# Altium PCB RK_NVR_DEMO1_RK3588_LP4XD200P232SD8_V21_20211228_final_lint.PcbDoc (part 13 of 29)
Units mm, origin at the board's own origin, x right, y up, seen from the top; angles counter-clockwise.
Board outline 170.08 x 169.98 mm, 8 copper layers (TOP, L2-GND1, L3-POWER1, L4-S1, L5-GND2, L6-S2, L7-GND3, BOTTOM), stack 2.118 mm thick; 1650 components, 1119 nets, 6165 pads, 15417 vias.
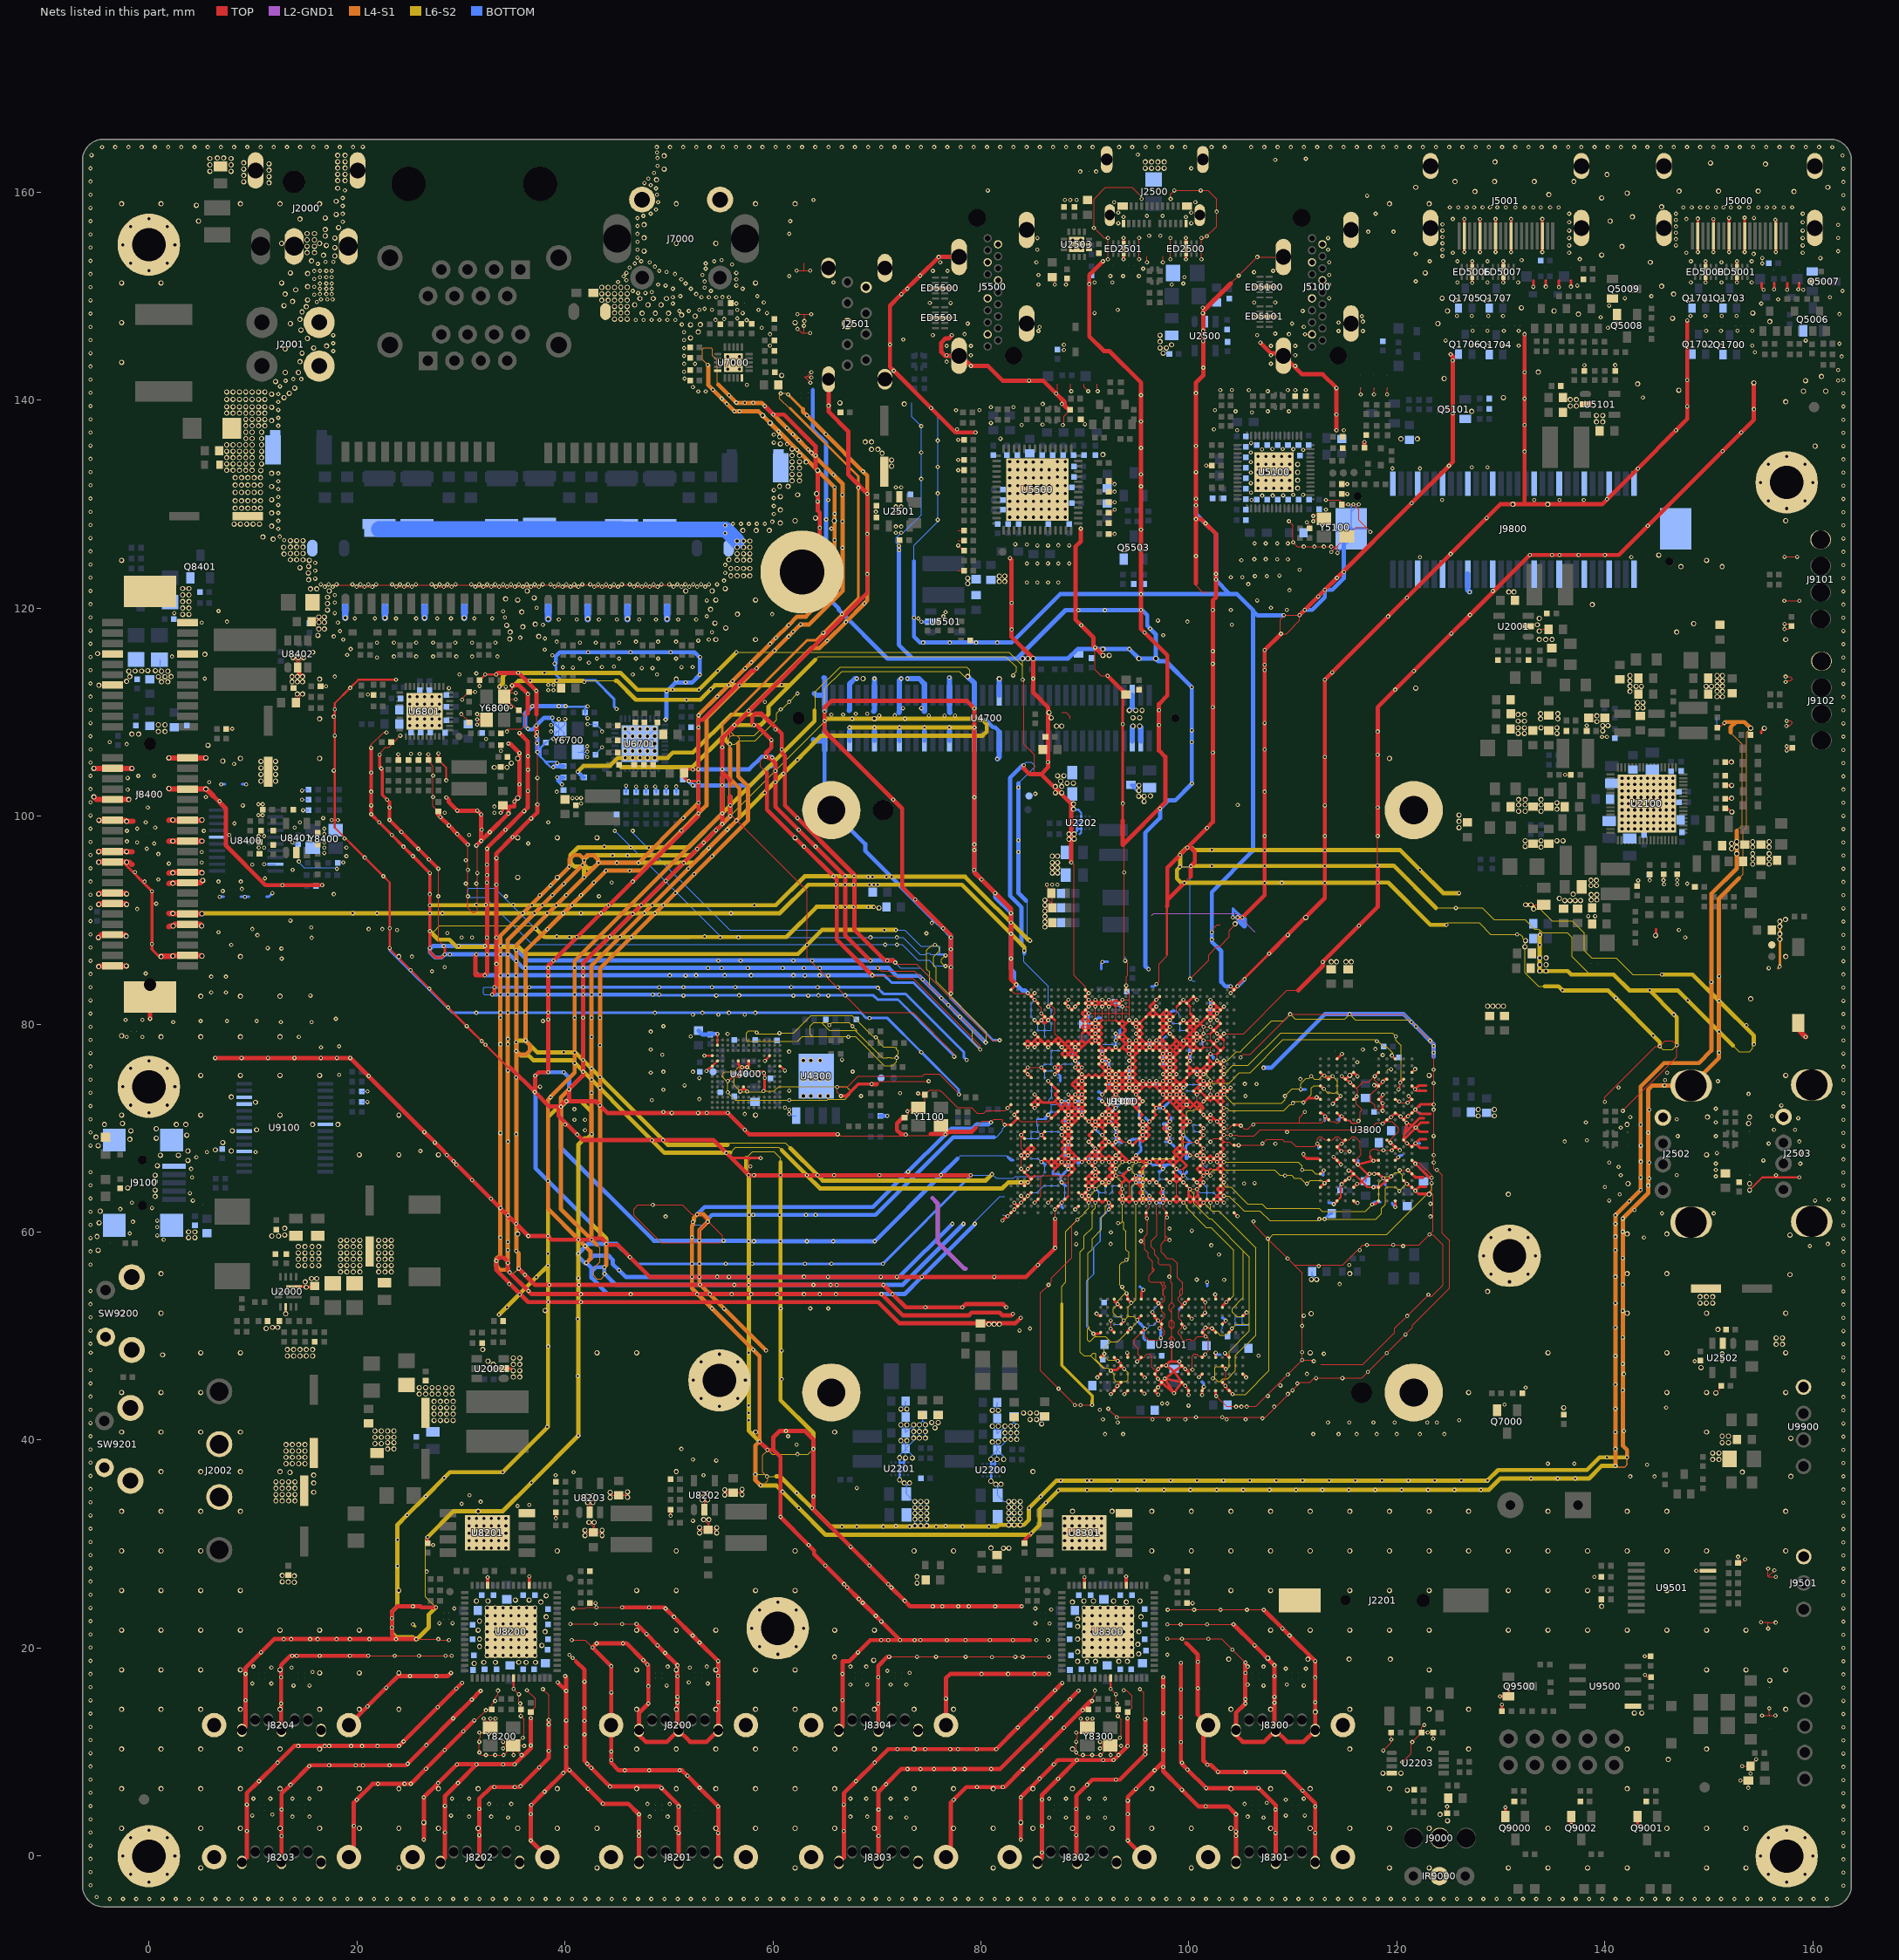
[diagram p19: the nets of this part, all layers, seen from the top]

## Via types
v1: diameter 0.4, hole 0.2, TOP to BOTTOM, 1688 vias
v2: diameter 0.4/0.4 (per signal layer), hole 0.2, TOP to L2-GND1, 1605 vias
v3: diameter 0/0/0/0/0/0/0/0.4 (per signal layer), hole 0.2, TOP to BOTTOM, 1253 vias
v4: diameter 0.4/0/0/0/0/0/0/0 (per signal layer), hole 0.2, TOP to BOTTOM, 1253 vias
v5: diameter 0.5, hole 0.3, TOP to BOTTOM, 857 vias
v6: diameter 0.4/0.4/0.4/0.4/0.4 (per signal layer), hole 0.2, L4-S1 to BOTTOM, 836 vias
v7: diameter 0/0/0/0/0/0/0/0.5 (per signal layer), hole 0.3, TOP to BOTTOM, 772 vias
v8: diameter 0.5/0/0/0/0/0/0/0 (per signal layer), hole 0.3, TOP to BOTTOM, 772 vias
v9: diameter 0.5/0.5 (per signal layer), hole 0.3, TOP to L2-GND1, 766 vias
v10: diameter 0.4/0.4 (per signal layer), hole 0.2, L7-GND3 to BOTTOM, 611 vias
v11: diameter 0.4/0.4/0.4/0.4 (per signal layer), hole 0.2, L5-GND2 to BOTTOM, 579 vias
v12: diameter 0.4 (per signal layer), hole 0.2, L6-S2 to L6-S2, 535 vias
v13: diameter 0.5/0.5/0.5/0.5/0.5 (per signal layer), hole 0.3, L4-S1 to BOTTOM, 457 vias
v14: diameter 0.5/0.5/0.5/0.5 (per signal layer), hole 0.3, L5-GND2 to BOTTOM, 455 vias
v15: diameter 0.4 (per signal layer), hole 0.2, L5-GND2 to L5-GND2, 418 vias
v16: diameter 0.5/0.5/0.5 (per signal layer), hole 0.3, TOP to L3-POWER1, 306 vias
v17: diameter 0.4 (per signal layer), hole 0.2, L4-S1 to L4-S1, 300 vias
v18: diameter 0.4/0.4/0.4 (per signal layer), hole 0.2, TOP to L3-POWER1, 287 vias
v19: diameter 0.5 (per signal layer), hole 0.3, L3-POWER1 to L3-POWER1, 242 vias
v20: diameter 0.5 (per signal layer), hole 0.3, L4-S1 to L4-S1, 240 vias
v21: diameter 0.5/0.5 (per signal layer), hole 0.3, L7-GND3 to BOTTOM, 192 vias
v22: diameter 0.5 (per signal layer), hole 0.3, L6-S2 to L6-S2, 166 vias
v23: diameter 0.4/0.4/0.4/0.4/0.4 (per signal layer), hole 0.2, TOP to L5-GND2, 134 vias
v24: diameter 0.5 (per signal layer), hole 0.3, L5-GND2 to L5-GND2, 114 vias
v25: diameter 0.5/0.5 (per signal layer), hole 0.3, L3-POWER1 to L4-S1, 111 vias
v26: diameter 0.4 (per signal layer), hole 0.2, L3-POWER1 to L3-POWER1, 93 vias
v27: diameter 0.4/0.4 (per signal layer), hole 0.2, L4-S1 to L5-GND2, 59 vias
v28: diameter 0.4/0.4/0/0/0.4/0/0.4/0.4 (per signal layer), hole 0.2, TOP to BOTTOM, 56 vias
v29: diameter 0.4/0/0/0.4/0/0/0/0.4 (per signal layer), hole 0.2, TOP to BOTTOM, 51 vias
v30: diameter 0.5/0.5 (per signal layer), hole 0.3, L4-S1 to L5-GND2, 46 vias
v31: diameter 0.4/0/0/0/0/0.4/0/0.4 (per signal layer), hole 0.2, TOP to BOTTOM, 42 vias
v32: diameter 0.5/0.5/0.5/0.5/0.5 (per signal layer), hole 0.3, TOP to L5-GND2, 32 vias
v33: diameter 0.4/0.4 (per signal layer), hole 0.2, L3-POWER1 to L4-S1, 29 vias
v34: diameter 0.4/0/0.4/0/0/0/0/0.4 (per signal layer), hole 0.2, TOP to BOTTOM, 29 vias
v35: diameter 0.4/0.4/0/0/0.4/0.4/0.4/0.4 (per signal layer), hole 0.2, TOP to BOTTOM, 21 vias
v36: diameter 0.5/0.5/0.5/0/0.5/0.5/0.5/0.5 (per signal layer), hole 0.3, TOP to BOTTOM, 4 vias
v37: diameter 0.5/0.5/0/0.5/0.5/0.5/0.5/0.5 (per signal layer), hole 0.3, TOP to BOTTOM, 3 vias
v38: diameter 0.4/0/0.4/0.4/0/0/0/0.4 (per signal layer), hole 0.2, TOP to BOTTOM, 2 vias
v39: diameter 0.4/0.4/0.4/0/0.4/0/0.4/0.4 (per signal layer), hole 0.2, TOP to BOTTOM, 1 vias

## Nets (pads, with @x,y where several pads share a name; then routed paths per layer and width w, separated by ;. In a path a pad name is that pad's centre, name@x,y a point inside that pad or via, vN(x,y) a via of type N, cw(c..) or ccw(c..) an arc to the next point about the centre after c; other vN are vias at no path point) (continued)
GND: (continued)
  L6-S2 w0.406: v16(2.303,90.64) 2.328,90.615 v16(5.097,90.615) 5.144,90.662 v2(21.937,90.662) v2(27.017,90.662) v2(28.236,90.662) v2(43.476,90.662) 46.473,90.662 v2(46.524,90.611) 46.575,90.662 v2(47.642,90.662) v2(48.658,90.662) v1(55.973,90.662) 60.653,90.662 63.4,93.409 v2(67.759,93.409) v2(69.283,93.409) v2(69.689,93.409) v2(70.095,93.409) 78.173,93.409 84.167,87.414 v2(84.167,87.059) ; v1(26.79,30.671) 29.279,33.16 34.027,33.16 v2(36.771,35.903) v2(41.292,40.424) v1(41.292,55.563) v1(41.292,57.95) v1(41.292,59.271) 41.292,68.408 41.909,69.025 42.181,69.025 v1(42.562,69.406) ; v2(27.017,88.938) 27.83,88.126 28.895,88.126 29.58,87.44 35.526,87.44 36.221,86.744 62.42,86.744 64.729,89.053 v2(70.72,89.053) v2(71.823,89.053) ; v2(27.017,91.434) v2(36.821,91.434) v2(37.837,91.434) v2(39.184,91.434) v2(40.708,91.434) v2(44.187,91.434) v2(47.337,91.434) v2(48.404,91.434) v2(49.471,91.434) v1(58.208,91.434) 60.275,91.434 63.063,94.222 v2(66.946,94.222) v2(67.809,94.222) 67.924,94.222 67.974,94.171 v2(69.181,94.171) v2(69.587,94.171) v2(70.908,94.171) v1(71.416,94.171) 78.477,94.171 84.497,88.151 84.599,88.151 v2(84.726,88.024) ; v1(27.601,23.914) 26.915,23.229 26.915,22.009 25.772,20.866 v1(25.696,20.866) 25.569,20.866 25.366,21.07 23.766,21.07 23.359,21.476 v1(23.359,21.984) v1(23.359,22.861) 23.359,23.508 23.893,24.041 v18(23.893,27.884) v18(23.893,30.424) 23.893,31.865 v18(24.818,32.79) v2(26.614,34.586) v2(28.41,36.382) 28.947,36.919 v2(34.028,36.919) 38.371,41.262 v1(38.371,56.773) ; v2(33.66,52.062) v1(37.252,55.654) v1(38.371,56.773) ; v1(33.697,112.433) 34.027,112.764 34.027,113.424 34.383,113.78 v1(35.506,113.78) v1(38.046,113.78) 45.351,113.78 46.976,112.154 v2(50.354,112.154) 52.879,112.154 v2(52.894,112.169) v2(54.69,113.965) v2(56.486,115.761) ; v1(34.916,112.56) 35.094,112.56 35.551,113.018 v1(36.669,113.018) v1(39.209,113.018) 41.749,113.018 v1(41.851,112.916) ; v2(37.214,89.178) 38.022,88.37 v2(40.441,88.37) v2(41.139,88.37) 61.297,88.37 64.203,91.275 v2(69.689,91.275) ; v2(41.241,104.267) 41.812,104.839 44.34,104.839 45.102,105.601 v9(45.788,105.601) v9(46.499,105.601) v9(47.21,105.601) v9(47.921,105.601) v9(48.632,105.601) 49.877,105.601 50.385,106.109 52.315,106.109 55.973,109.766 58.919,109.766 59.224,109.461 ; v2(41.851,94.12) v6@41.851,95.339 ; v1(43.984,58.865) 43.984,59.373 42.562,60.795 v1(42.562,69.406) ; 44.899,113.018 45,113.018 46.829,111.189 v2(51.687,111.189) 53.027,111.189 v2(54.024,112.186) 54.424,112.586 61.612,112.586 ; 45.395,104.712 52.265,104.712 55.427,107.874 ; 55.643,68.39 49.894,68.39 v2(49.441,68.843) 40.99,77.294 v2(39.881,77.294) 37.341,77.294 v2(36.212,78.423) 35.475,78.423 v2(35.323,78.27) v2(35.323,77.407) 35.767,76.962 36.529,76.962 36.96,76.532 40.674,76.532 v1(48.368,68.837) 49.578,67.628 v2(55.516,67.628) 55.897,67.628 ; v2(55.871,106.922) 55.833,106.922 55.427,107.328 55.427,107.874 ; v2(55.897,100.013) v2(55.135,99.251) v2(54.518,98.634) v2(53.339,97.455) v2(52.722,96.838) 52.112,96.228 v2(46.034,96.228) v2(44.594,96.228) 42.257,96.228 41.851,95.822 v2(41.851,95.746) v6@41.851,95.339 ; 57.421,67.12 57.421,65.723 v1(57.675,65.469) v1(57.675,59.119) v1(57.675,55.69) v1(57.675,54.928) v1(57.675,48.4) v1(57.675,43.32) v1(57.675,42.609) v1(57.675,41.918) 57.675,40.907 v2(58.716,39.866) ; v2(58.31,36.716) 58.31,36.157 v2(58.818,35.649) 60.316,35.649 v2(60.925,35.041) v2(62.488,33.478) 65.066,30.899 84.7,30.899 v2(84.853,31.052) 85.64,31.839 85.64,33.363 v2(87.436,35.159) 87.494,35.217 v2(92.515,35.217) v2(95.055,35.217) v2(97.595,35.217) v2(100.135,35.217) v2(102.675,35.217) v2(105.215,35.217) v2(107.755,35.217) v2(110.295,35.217) v2(112.835,35.217) v2(115.375,35.217) v2(117.915,35.217) v2(120.455,35.217) v2(122.995,35.217) v2(125.535,35.217) v2(128.075,35.217) 128.846,35.217 129.938,36.31 v2(132.909,36.31) v2(135.449,36.31) v2(137.151,36.31) 138.472,36.31 139.691,37.529 v2(141.012,37.529) ; 60.342,36.513 60.71,36.513 v2(62.304,34.919) v2(63.74,33.483) 65.536,31.687 v2(66.641,31.687) v2(68.076,31.687) v2(70.616,31.687) v2(73.156,31.687) v2(75.696,31.687) v2(78.236,31.687) v2(80.776,31.687) 81.576,31.687 81.729,31.839 v9(82.668,31.839) v9(83.202,31.839) v9(83.786,31.839) 84.116,31.839 84.624,32.347 v2(84.624,33.465) v2(85.742,34.582) 87.266,36.106 v2(87.672,36.106) v2(90.212,36.106) v2(90.619,36.106) v2(93.159,36.106) v2(95.699,36.106) v2(98.239,36.106) v2(100.779,36.106) v2(103.319,36.106) v2(105.859,36.106) v2(108.399,36.106) v2(110.939,36.106) v2(113.479,36.106) v2(116.019,36.106) v2(118.559,36.106) v2(121.099,36.106) v2(123.639,36.106) v2(126.179,36.106) v2(128.719,36.106) 129.735,37.122 138.269,37.122 139.488,38.342 v2(140.199,38.342) v2(142.13,38.342) ; 60.723,66.739 v1(60.723,65.469) v1(60.723,59.119) 60.723,43.853 63.898,40.678 v2(63.898,39.154) ; 60.85,67.882 v1(63.263,65.469) 64.533,64.199 82.038,64.199 82.62,64.781 v2(83.866,64.781) v2(84.516,64.781) ; 61.675,68.072 v1(64.279,65.469) 64.787,64.961 80.459,64.961 v2(81.068,65.57) ; v2(62.374,105.398) 62.699,105.723 62.699,105.784 ; 63.999,110.173 63.999,109.131 v2(55.897,101.029) v2(55.135,100.267) 51.858,96.99 v2(46.321,96.99) 41.266,96.99 40.53,96.254 40.53,95.542 40.936,95.136 41.647,95.136 v6@41.851,95.339 ; 64.076,115.05 61.612,112.586 ; v2(64.97,109.157) 65.173,109.36 v2(67.619,109.36) v2(72.699,109.36) 79.849,109.36 v2(79.951,109.258) 80.154,109.258 80.56,108.852 80.56,108.141 80.154,107.734 64.65,107.734 62.699,105.784 ; v2(67.369,108.522) v2(69.769,108.522) v2(72.17,108.522) v2(74.57,108.522) v2(76.97,108.522) v2(79.37,108.522) ; v2(100.194,95.187) 100.22,95.187 100.245,95.212 v2(102.201,95.212) v2(107.281,95.212) v2(113.072,95.212) 118.127,95.212 v2(118.152,95.238) 119.676,95.238 123.74,91.174 ; v2(124.756,89.548) 123.232,89.548 119.168,93.612 v2(118.152,93.612) 118.127,93.587 v2(113.072,93.587) v2(108.937,93.587) v2(107.281,93.587) v2(99.559,93.587) 99.255,93.587 98.848,93.993 98.848,94.831 v2(99.153,95.136) v2(99.153,96.254) 99.153,96.322 99.796,96.965 99.839,96.965 v2(99.851,96.977) 100.258,96.977 100.507,96.728 v2(107.281,96.728) v2(113.072,96.728) 120.319,96.728 v2(122.216,94.831) 124.451,92.596 v2(125.975,92.596) ; v9(132.376,91.478) v9(132.884,91.478) 133.138,91.224 v9(133.138,91.072) ; v2(133.759,88.597) 133.734,88.572 v2(133.734,87.618) v9(133.734,86.373) v9(133.734,85.713) v16(133.734,85.103) v16(134.343,85.103) 136.415,85.103 136.745,84.773 138.574,84.773 140.838,84.773 142.362,83.249 v2(144.305,83.249) ; 134.205,83.63 135.551,83.63 v2(135.932,83.249) 140.301,83.249 v2(141.063,82.487) v2(144.655,78.895) 145.279,78.27 v2(145.279,77.864) ; v2(145.483,84.773) 148.429,84.773 v2(150.969,82.233) 154.322,78.88 v1(154.322,78.067) ; v2(146.905,77.966) 146.905,80.648 v2(146.631,80.922) v2(144.305,83.249) ; 152.29,77.966 v1(150.969,79.286) v2(147.965,82.29) 147.007,83.249 v2(144.305,83.249) ; v1(38.371,56.773) v1(38.371,57.934) v1(38.371,59.627) 38.371,71.057 39.387,72.073 v1(39.615,72.073) 40.123,72.581 v1(40.149,72.581) 41.546,72.581 42.562,71.565 v1(42.562,69.406) ; v6@41.851,95.339 42.206,94.984 42.714,94.984 v2(43.247,95.517) v2(45,95.517) v2(47.082,95.517) 52.432,95.517 v2(53.829,96.914) v2(55.625,98.71) v2(56.501,99.586) 60.997,104.082 v2(61.022,104.082) 61.022,104.107 62.699,105.784 ; 55.427,107.874 55.795,108.242 v2(56.303,108.751) v2(58.183,108.75) 58.818,108.75 59.224,109.157 59.224,109.461 ; 59.224,109.461 59.58,109.817 59.58,110.554 61.612,112.586
  BOTTOM w0.089: 82.09,63.437 82.287,63.437 ; 82.09,65.164 83.135,65.164 83.326,65.354 85.831,65.354 86.047,65.57 ; 82.09,67.374 82.44,67.374 82.618,67.196 ; 82.09,69.945 82.287,70.142 v2(82.287,70.32) ; 82.141,61.618 82.479,61.618 v2(82.566,61.531) ; 84.116,69.126 84.218,69.025 84.363,69.025 84.381,69.006 84.827,69.006 ; v35(84.516,63.481) 84.573,63.538 84.69,63.538 84.957,63.806 85.399,63.806 86.047,64.453 86.329,64.453 86.331,64.455 86.6,64.455 87.25,64.456 87.253,64.453 87.367,64.453 87.469,64.554 ; 84.726,67.196 84.866,67.055 85.49,67.055 v2(85.816,66.73) ; 84.827,69.634 84.827,69.478 84.84,69.465 84.84,69.197 84.827,69.184 84.827,69.006 ; 84.929,69.634 85.01,69.634 85.031,69.656 85.3,69.656 85.321,69.634 85.468,69.634 85.49,69.656 ; v2(85.166,80.381) 84.84,80.707 84.84,81.165 84.827,81.178 84.827,81.533 84.84,81.546 84.84,81.815 84.827,81.828 84.827,81.992 v2(85.166,82.331) ; 85.383,70.858 85.383,70.222 85.49,70.115 85.49,69.656 ; 85.437,79.388 85.49,79.441 ; 85.437,80.201 85.49,80.148 85.49,79.441 ; 85.539,79.388 85.556,79.405 ; v2(85.816,80.381) 85.816,80.221 86.141,79.896 86.141,78.946 86.148,78.939 86.148,78.778 ; 86.027,84.081 86.466,83.642 v2(86.466,81.681) 86.758,81.389 86.758,81.198 86.791,81.165 86.791,80.896 86.758,80.864 86.758,80.836 86.466,80.544 v2(86.466,80.381) 86.791,80.056 86.791,79.388 86.773,79.405 86.74,79.405 ; 86.148,65.672 86.148,65.939 86.141,65.946 86.141,66.215 86.148,66.222 86.148,66.467 C1816.2@86.195,66.514 ; 86.148,74.714 86.14,74.722 86.14,75.315 86.119,75.336 86.119,75.527 ; C1110.2@86.759,71.564 86.834,71.641 ; 86.758,77.458 86.758,77.298 86.79,77.265 86.79,76.346 86.758,76.314 86.758,76.137 86.619,76.137 86.6,76.155 86.331,76.155 86.313,76.137 86.122,76.137 v2(85.816,75.831) 86.119,75.527 ; 86.758,79.388 86.74,79.405 ; C1901.2@86.809,74.18 86.809,73.039 86.555,72.784 86.555,72.479 86.791,72.242 ; 86.859,75.527 86.621,75.527 86.6,75.506 86.331,75.506 86.31,75.527 86.119,75.527 ; 86.859,77.458 86.98,77.458 86.981,77.456 87.25,77.456 87.251,77.458 87.539,77.458 87.588,77.409 ; 87.266,72.276 86.825,72.276 86.791,72.242 ; 87.367,71.565 86.759,71.565 86.791,71.597 86.791,72.242 ; 87.487,75.778 87.865,76.155 88.771,76.155 88.79,76.137 ; v2(87.766,62.831) 87.766,63.022 88.09,63.346 88.09,64.377 C1804.2@88.169,64.455 ; v2(87.766,69.331) 87.441,69.655 86.169,69.655 85.845,69.331 v2(85.816,69.331) ; v2(91.016,62.831) 91.341,63.156 91.341,63.805 v2(91.016,64.131) 91.144,64.131 91.468,63.806 91.903,63.806 91.991,63.894 91.991,64.265 92.041,64.315 92.041,64.554 ; 91.736,78.067 92.679,78.067 v2(92.966,77.781) ; 92.346,63.64 92.651,63.945 92.651,63.987 92.641,63.997 92.641,64.265 92.651,64.275 92.651,64.453 92.828,64.453 92.831,64.456 93.1,64.456 93.103,64.453 93.294,64.453 v2(93.616,64.131) v2(93.616,63.48) v2(93.616,62.831) ; 93.362,65.672 93.768,65.672 94.073,65.977 ; R1405.2@93.366,78.778 93.366,78.656 C1041.2@93.879,78.143 ; R1401.2@93.366,79.413 93.366,79.493 93.768,79.896 ; v2(93.87,86.094) 93.917,86.141 C1609.2@93.917,86.5 ; v2(94.915,62.831) 94.78,62.831 94.581,63.03 94.581,64.446 v2(94.915,64.781) v2(94.915,65.43) ; v2(95.565,64.132) 95.7,63.996 95.778,63.996 96.081,63.694 96.081,63.616 v2(96.216,63.48) ; 97.146,65.846 97.19,65.801 97.19,65.181 97.266,65.106 ; 97.383,78.109 97.802,77.69 97.802,77.559 ; v2(97.515,64.131) v2(96.865,64.781) 96.941,64.781 97.266,65.106 ; v2(98.165,64.781) 98.073,64.781 97.748,65.106 97.266,65.106 ; v2(98.165,80.381) 98.165,80.376 98.485,80.056 99.11,80.056 ; C1421.2@98.628,81.274 98.791,81.274 99.051,81.014 99.051,80.81 ; 99.153,80.099 99.11,80.056 ; v2(99.466,65.43) 99.598,65.43 99.864,65.164 99.924,65.164 99.981,65.107 100.328,65.107 100.372,65.062 ; v2(99.465,73.881) 99.64,73.881 99.966,74.206 99.981,74.206 100.25,74.206 101.185,74.206 ; 99.763,73.597 99.941,73.597 99.981,73.556 100.44,73.556 v2(100.765,73.231) ; 99.864,79.388 99.617,79.388 99.6,79.405 99.331,79.405 99.314,79.388 99.153,79.388 99.153,79.584 99.141,79.596 99.141,80.001 99.153,80.013 99.11,80.056 ; v2(100.115,84.36) 100.341,84.134 R1402.2@100.601,84.134 ; 100.372,70.346 100.372,70.183 100.44,70.115 100.44,69.847 100.631,69.656 100.655,69.656 100.96,69.656 101.285,69.331 v2(101.416,69.331) ; 100.474,70.346 100.592,70.346 100.631,70.306 100.955,70.306 101.145,70.116 101.281,70.116 v2(101.416,69.981) ; v2(100.766,64.131) 101.091,63.806 102.391,63.806 v2(103.366,62.831) ; v2(100.766,67.381) 100.9,67.246 100.9,67.168 101.202,66.866 101.281,66.866 v2(101.416,66.731) 101.416,66.457 101.693,66.18 ; 100.982,63.64 100.982,63.132 101.083,63.03 ; v2(101.416,64.781) 101.416,64.59 101.74,64.265 101.74,63.156 v2(102.066,62.831) ; 84.827,69.006 85.491,69.006 v2(85.816,69.331) ; 85.49,69.656 v2(85.816,69.331) ; 85.49,79.441 85.525,79.405 85.556,79.405 ; 85.556,79.405 86.74,79.405
  BOTTOM w0.102: C8431.2@1.01,115.057 1.112,114.955 1.112,113.828 v16(1.541,113.399) ; v2(11.066,95.375) U8400.9@12.164,95.375 ; v2(13.809,97.473) 13.98,97.302 C8419.2@14.342,97.302 ; v2(14.419,95.644) 14.419,95.542 14.927,95.034 17.975,95.034 v2(18.076,94.933) ; v2(14.723,101.588) R8413.2@15.371,101.588 ; v18(14.723,102.451) 14.825,102.553 R8411.2@15.371,102.553 ; v2(14.825,100.563) R8409.2@15.371,100.563 ; C9101.2@20.454,72.511 v2(21.023,72.511) ; C9100.2@20.454,73.527 v2(21.023,73.527) ; v2(33.011,82.842) 32.252,82.842 32.151,82.944 32.151,83.449 32.252,83.551 v2(33.215,83.551) ; v1(37.253,108.7) 37.329,108.623 v1(37.329,108.078) ; R6702.2@38.159,107.072 38.251,107.072 38.904,107.726 ; v1(38.676,108.141) Y6700.4@39.319,108.141 ; v1(38.676,108.75) Y6700.4@39.173,108.75 ; v1(38.904,107.404) 38.904,107.726 ; v2(39.26,105.093) 39.412,105.093 39.708,104.797 R6715.2@39.867,104.797 ; v1(39.412,107.404) Y6700.4@39.412,108.234 ; Y6700.4@39.412,108.511 v1(39.412,109.329) ; v1(39.92,107.404) 39.92,108.003 Y6700.4@39.551,108.372 ; v1(40.022,109.329) 40.022,108.844 Y6700.4@39.551,108.372 ; Y6700.2@41.25,106.172 Y6700.2@41.609,106.172 ; R6721.2@41.929,109.961 41.929,109.662 v1(42.181,109.411) ; v2(42.155,105.702) Y6700.2@41.685,106.172 ; v2(42.155,106.21) 42.117,106.172 Y6700.2@41.685,106.172 ; v2(42.155,106.718) Y6700.2@41.609,106.172 ; v1(42.181,108.838) C6700.2@42.933,108.838 42.982,108.838 43.578,108.242 v2(43.578,108.141) ; C6701.2@42.933,105.919 42.933,105.972 v2(43.578,106.617) ; v2(44.797,98.59) 54.938,88.449 v1(54.938,88.348) ; v9(45.788,108.395) v9(46.499,107.684) ; v2(46.397,88.354) 46.404,88.348 v6@46.423,88.348 ; v2(46.524,98.59) 46.524,98.387 55.859,89.053 v2(70.72,89.053) v2(71.823,89.053) 72.673,89.053 74.214,87.512 75.476,87.512 v2(75.582,87.618) 75.687,87.512 75.988,87.512 76.09,87.411 76.09,86.906 75.881,86.698 75.175,86.698 75.069,86.804 74.773,86.804 74.667,86.698 74.165,86.698 72.516,88.348 v2(71.924,88.348) v2(69.382,88.348) v1(56.682,88.348) v1(54.938,88.348) ; v9(47.21,105.601) v9(47.21,106.261) ; v9(47.921,107.684) v9(48.632,108.395) ; v1(52.722,61.71) 52.315,61.303 v1(52.315,60.998) 52.315,60.795 52.417,60.694 53.433,60.694 v1(53.738,60.998) ; v2(61.561,71.362) 61.688,71.362 61.856,71.194 U4300.4@62.247,71.194 ; v2(71.772,85.916) 72.28,85.408 74.185,85.408 77.08,82.512 ; v2(72.111,125.997) 71.823,126.285 71.823,126.734 v2(72.331,127.242) 72.534,127.242 74.261,128.969 v2(74.261,132.423) v2(74.261,134.963) v2(74.261,137.503) 73.347,138.418 73.347,139.738 ; v9(72.178,38.316) 72.178,38.571 C2211.2@72.762,39.156 ; v9(72.305,39.942) C2211.2@72.783,39.464 ; v5(72.305,41.466) C2214.2@72.783,40.988 ; v5(72.305,42.99) C2213.2@72.783,43.467 ; v9(72.635,35.878) 72.831,35.682 72.831,35.566 ; v9(72.762,38.291) C2211.2@72.762,39.156 ; C2213.2@72.783,43.748 C2213.2@72.783,43.467 ; v9(72.889,39.942) 72.783,39.835 C2211.2@72.783,39.464 ; v5(72.889,41.466) 72.783,41.359 C2214.2@72.783,40.988 ; v5(72.889,42.99) 72.783,43.096 C2213.2@72.783,43.467 ; v9(73.143,35.878) 72.831,35.566 ; v9(73.397,38.291) 73.397,38.561 C2211.2@72.783,39.176 ; 73.566,124.515 73.566,126.039 75.852,128.325 v2(75.852,128.495) v2(75.852,131.035) v2(75.852,133.575) v2(75.852,136.115) 75.852,138.655 75.379,139.129 ; v9(73.651,31.763) v9(73.651,32.398) v9(73.651,32.957) v9(73.651,33.516) v9(73.651,34.1) ; v9(74.083,40.196) v9(74.083,40.831) v5(74.083,41.466) 74.083,41.517 74.392,41.825 74.392,41.869 ; v9(74.21,31.763) v9(74.21,32.398) v9(74.21,32.957) v9(74.21,33.516) v9(74.21,34.1) ; C2215.2@74.392,42.395 74.392,41.869 ; v9(74.667,40.196) v9(74.667,40.831) v5(74.667,41.466) 74.667,41.593 74.392,41.869 ; v9(74.794,31.763) v9(74.794,32.398) v9(74.794,32.957) v9(74.794,33.516) v9(74.794,34.1) v9(74.21,34.1) ; v2(76.598,85.586) 75.582,85.586 75.013,86.155 73.929,86.155 72.441,87.642 v2(71.924,87.642) v2(70.8,87.642) 36.848,87.642 32.3,92.19 30.776,92.19 v2(30.675,92.291) 30.675,92.96 30.776,93.061 33.257,93.061 38.073,88.246 46.321,88.246 v6@46.423,88.348 ; 77.741,67.069 78.046,67.374 82.09,67.374 ; v2(79.023,65.481) 80.979,65.481 v2(81.068,65.57) 81.475,65.164 82.09,65.164 ; v2(79.417,60.795) 79.417,61.015 81.839,63.437 82.09,63.437 ; v5@80.973,38.145 80.973,38.158 v5(80.967,38.152) 80.967,38.419 C2205.2@81.551,39.003 ; v5(81.094,39.821) 81.552,39.363 C2205.2@81.571,39.363 ; v5(81.094,41.339) C2208.2@81.571,40.861 ; v16(81.094,42.863) C2207.2@81.571,43.34 ; 81.271,69.126 81.475,69.126 82.09,69.742 82.09,69.945 ; v5(81.424,35.751) 81.62,35.555 81.62,35.439 ; v5(81.551,38.152) C2205.2@81.551,39.003 ; C2207.2@81.571,43.621 C2207.2@81.571,43.34 ; v5(81.678,39.821) 81.59,39.733 81.571,39.733 C2205.2@81.571,39.363 ; v5(81.678,41.339) 81.571,41.232 C2208.2@81.571,40.861 ; v16(81.678,42.863) 81.571,42.969 C2207.2@81.571,43.34 ; v5(81.932,35.751) 81.62,35.439 ; v5(82.186,38.152) 82.186,38.434 C2205.2@81.571,39.049 ; v9(82.668,31.839) v9(82.668,32.423) v9(82.668,33.008) v9(82.668,33.541) v9(82.668,34.1) ; v5(82.872,40.069) v5(82.872,40.704) v5(82.872,41.339) 82.872,41.39 83.18,41.698 83.18,41.742 ; C2209.2@83.18,42.268 83.18,41.742 ; v9(83.202,31.839) v9(83.202,32.423) v9(83.202,33.008) v9(83.202,33.541) v9(83.202,34.1) ; v5(83.456,40.069) v5(83.456,40.704) v5(83.456,41.339) 83.456,41.466 83.18,41.742 ; 83.608,103.162 85.162,104.716 85.162,104.86 84.827,105.194 84.319,105.194 84.116,104.991 v2(84.116,104.89) ; v9(83.786,31.839) v9(83.786,32.423) v9(83.786,33.008) v9(83.786,33.541) v9(83.786,34.1) v9(83.202,34.1) ; 84.167,86.797 84.116,86.746 84.116,85.992 86.027,84.081 ; 84.319,91.885 84.472,91.732 84.472,88.075 84.624,87.922 v2(84.726,88.024) ; 92.854,51.143 93.362,51.143 93.463,51.245 ; 92.854,51.854 93.463,51.854 93.565,51.956 ; 95.235,71.409 95.235,72.068 95.289,72.123 95.289,72.129 95.235,72.183 95.235,72.253 v2(95.562,72.581) ; v28(95.788,50.723) 95.99,50.723 96.308,51.042 96.575,51.042 v28(97.037,51.503) 96.486,52.054 v2(96.486,52.312) 96.486,52.438 97.067,53.019 v28(97.067,53.171) ; v2(99.153,95.136) 99.982,95.136 100.115,95.003 ; v2(100.115,84.36) 100.115,95.003 ; v2(100.194,95.187) 100.194,95.082 100.115,95.003 ; 103.115,50.432 103.115,50.624 103.206,50.715 103.206,50.929 103.319,51.042 ; 104.436,51.042 105.147,51.042 ; 104.436,51.143 104.436,51.336 104.459,51.358 104.459,51.632 104.436,51.655 104.436,51.753 104.538,51.854 105.12,51.854 ; v35(105.547,52.281) 105.12,51.854 ; 105.757,51.042 105.147,51.042 ; v9(111.777,55.436) 111.839,55.498 C1232.2@111.839,55.882 ; C1232.2@111.839,56.198 C1232.2@111.839,55.882 ; v9(112.285,55.436) C1232.2@111.839,55.882 ; v1(113.691,125.403) J9800.61@115.608,127.319 ; v1(114.291,125.311) 115.608,126.628 J9800.61@115.608,127.319 ; v18(115.307,129.985) 115.608,129.684 ; v18(115.815,129.985) 115.608,129.777 115.608,129.684 ; v18(116.323,129.985) J9800.61@115.608,129.269 ; v1(117.441,127.343) 117.162,127.623 J9800.61@115.608,127.623 ; 150.766,108.489 150.766,109.519 ; 38.904,107.726 Y6700.4@39.319,108.141 ; Y6700.4@39.319,108.141 Y6700.4@39.412,108.234 ; Y6700.4@39.412,108.234 Y6700.4@39.551,108.372 ; Y6700.2@41.609,106.172 Y6700.2@41.685,106.172 ; v6@46.423,88.348 46.524,88.246 51.992,88.246 52.093,88.348 v1(54.938,88.348) ; C2211.2@72.762,39.156 C2211.2@72.783,39.176 ; C2211.2@72.783,39.176 C2211.2@72.783,39.2 ; C2211.2@72.783,39.2 C2211.2@72.783,39.464 ; C2211.2@72.783,39.2 73.524,39.942 v9(73.524,40.196) v9(73.524,40.831) v5(73.524,41.466) 72.783,40.724 C2214.2@72.783,40.988 ; 72.831,35.566 C2202.2@72.831,34.82 73.45,34.201 73.55,34.201 v9(73.651,34.1) ; v9(73.651,34.1) v9(74.21,34.1) ; C2205.2@81.551,39.003 81.551,39.029 C2205.2@81.571,39.049 ; C2205.2@81.571,39.049 C2205.2@81.571,39.073 ; C2205.2@81.571,39.073 C2205.2@81.571,39.363 ; C2205.2@81.571,39.073 82.313,39.815 v5(82.313,40.069) v5(82.313,40.704) v5(82.313,41.339) 81.571,40.597 C2208.2@81.571,40.861 ; 81.62,35.439 C2200.2@81.62,34.693 82.188,34.125 82.643,34.125 v9(82.668,34.1) ; v9(82.668,34.1) v9(83.202,34.1) ; 105.12,51.854 105.147,51.827 105.147,51.604 105.155,51.596 105.155,51.322 105.147,51.314 105.147,51.042 ; J9800.61@115.608,127.319 J9800.61@115.608,127.623 ; J9800.61@115.608,127.623 J9800.61@115.608,129.269 ; J9800.61@115.608,129.269 115.608,129.684